# Altium PCB Digitalizador_RPi.PcbDoc (part 2 of 3) (continued)
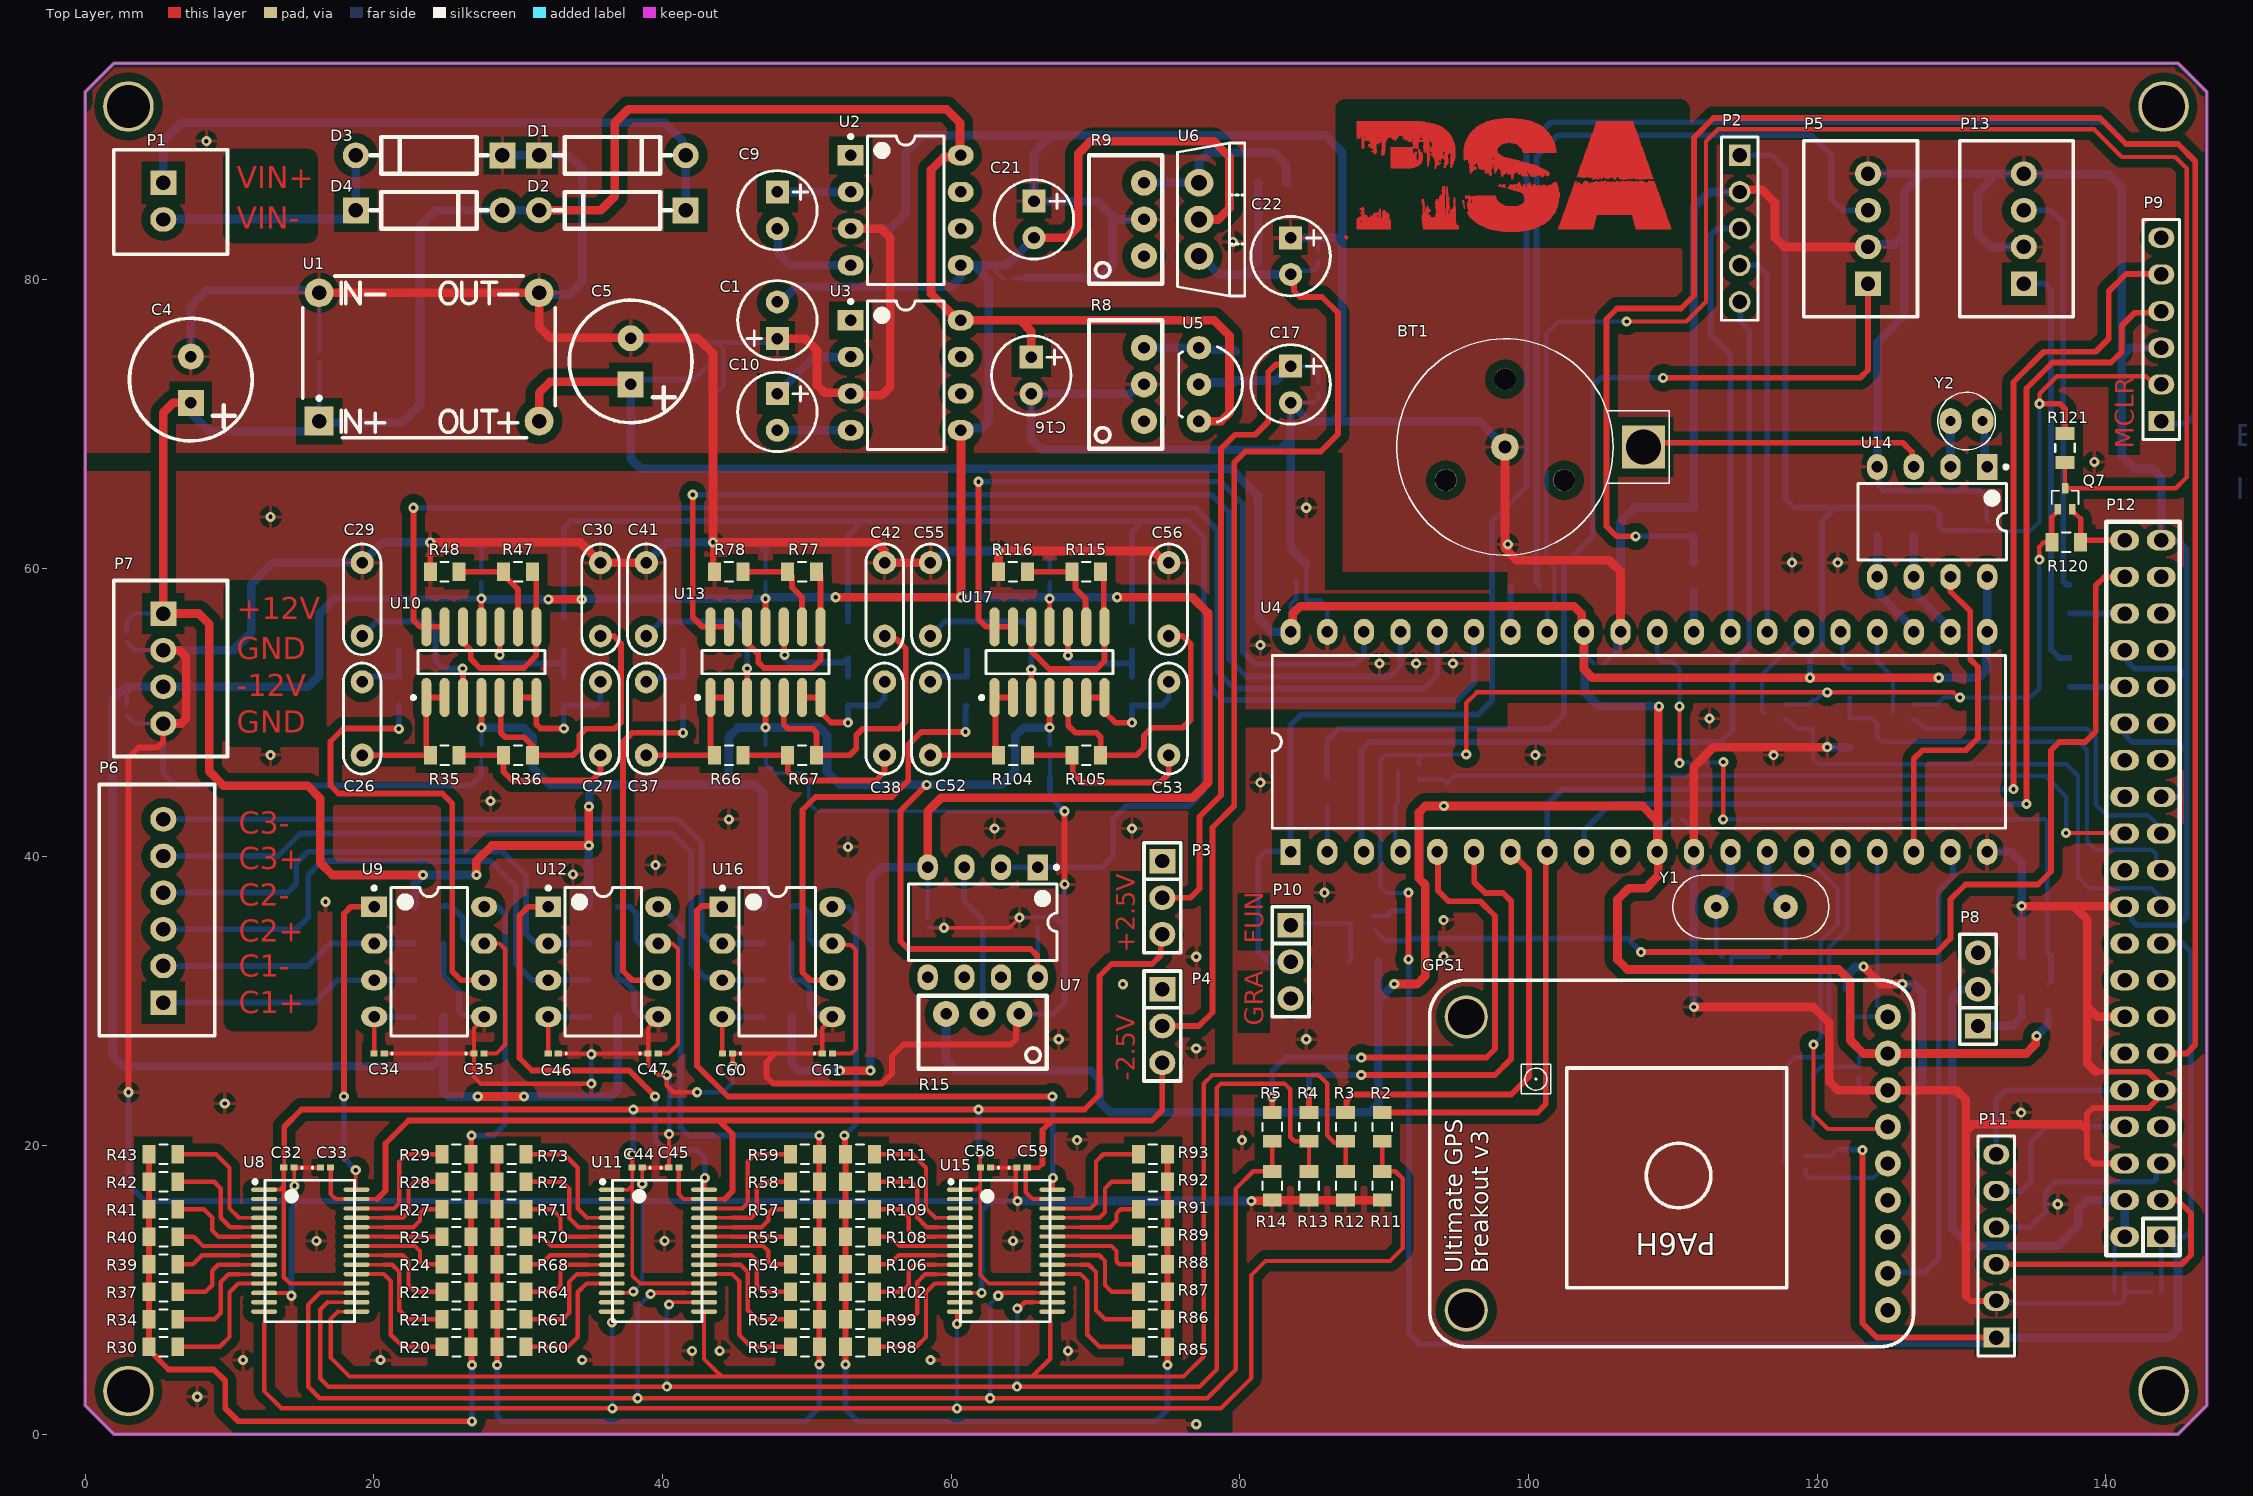
[diagram p0: Top Layer view]
## Nets (pads, with @x,y where several pads share a name; then routed paths per layer and width w, separated by ;. In a path a pad name is that pad's centre, name@x,y a point inside that pad or via, vN(x,y) a via of type N, cw(c..) or ccw(c..) an arc to the next point about the centre after c; other vN are vias at no path point) (continued)
NetC52_1: C52.1 R104.1 U17.1 U17.2 | length 10.1
  Top Layer w0.4: C52.1@58.565,47.055 R104.1@63.28,47.055 63.067,47.268 63.067,50.988 U17.1@63.01,51.045 U17.2@64.28,51.045
NetC52_2: C52.2 R100.2 R101.1 | length 4.5
  Bottom Layer w0.4: C52.2@58.565,52.135 58.795,52.365 59.17,52.365 59.305,52.5 R100.2@61.105,52.5 R101.1@61.105,54.31
NetC53_1: C53.1 R107.1 U17.6 U17.7 | length 9.6
  Top Layer w0.4: U17.6@69.36,51.045 U17.7@70.63,51.045 70.63,50.045 71.38,49.295 72.519,49.295 v1(72.535,49.311)
  Bottom Layer w0.4: v1(72.535,49.311) R107.1@72.535,50.5 74.6,50.5 75.075,50.975 C53.1@75.075,52.135
NetC53_2: C53.2 R104.2 R105.1 | length 12.8
  Top Layer w0.4: R104.2@65.28,47.055 R105.1@68.36,47.055 68.432,46.983 68.432,45.805 69.085,45.152 74.457,45.152 75.075,45.77 C53.2@75.075,47.055
NetC55_1: C55.1 R101.2 U17.3 | length 12.4
  Top Layer w0.4: U17.3@65.55,51.045 v1(65.55,52.995)
  Bottom Layer w0.4: C55.1@58.565,55.31 59.565,56.31 R101.2@61.105,56.31 65.025,56.31 65.55,55.785 v1(65.55,52.995)
NetC56_1: C56.1 R105.2 U17.5 | length 20.5
  Top Layer w0.4: U17.5@68.09,51.045 68.115,51.02 68.115,49.095 68.61,48.6 70.06,48.6 70.36,48.3 R105.2@70.36,47.055 72.835,47.055 73.36,47.58 73.36,48.42 73.9,48.96 76.045,48.96 76.6,49.515 76.6,54.737 76.028,55.31 C56.1@75.075,55.31
NetC60_2: C60.2 R113.2 U16.4 | length 5.4
  Top Layer w0.3: C60.2@44.15,26.385 U16.4@44.15,28.925
  Bottom Layer w0.4: U16.4@44.15,28.925 R113.2@46.96,28.925
NetC61_2: C61.2 R114.2 U16.7 | length 15.4
  Top Layer w0.3: C61.2@51.77,26.385 53.085,26.385 53.4,26.7 53.4,33.54 53.04,33.9 51.875,33.9 U16.7@51.77,34.005
  Bottom Layer w0.4: R114.2@48.96,36.545 49.015,36.6 49.7,36.6 50.2,36.1 50.2,34.31 50.505,34.005 U16.7@51.77,34.005
NetD1_2: D1.2 D2.1 P1.1 | length 44.8
  Bottom Layer w0.6: P1.1@5.415,86.71 5.415,89.6 6.685,90.87 40.15,90.87 41.38,89.64 41.38,88.845 D1.2@41.61,88.615 D2.1@41.61,84.805
NetD3_2: D3.2 D4.1 P1.2 | length 17.4
  Bottom Layer w0.6: P1.2@5.415,84.17 5.45,84.205 18.15,84.205 D4.1@18.75,84.805 D3.2@18.75,88.615
NetP8_1: P8.1 Q1.1 | length 4.7
  Bottom Layer w0.5: 134.165,28.92 Q1.1@134.165,30.255
  Bottom Layer w0.6: P8.1@131.235,28.2 P8.1@131.145,28.29 133.535,28.29 134.165,28.92
NetP12_32: P12.32 R117.2 | length 3.8
  Bottom Layer w0.4: R117.2@137.495,51.785 P12.32@141.305,51.785
NetP12_36: P12.36 R118.2 | length 3.8
  Bottom Layer w0.4: R118.2@137.495,56.865 P12.36@141.305,56.865
NetR1_2: R1.2 U4.2 | length 3.2
  Bottom Layer w0.3: U4.2@86.06,40.355 R1.2@86.06,43.53
NetR3_2: R3.2 U4.7 | length 31.9
  Top Layer w0.4: R3.2@87.33,22.305 R3.2@87.384,22.305 ; U4.7@98.76,40.355 100.035,39.08 100.035,24.78 98.8,23.545 87.812,23.545 87.384,23.117 ; R3.2@87.384,22.305 87.384,23.117 ; R3.2@87.384,22.305 87.384,23.117 ; R3.2@87.384,22.305 87.384,23.117
NetR4_2: R4.2 U4.6 | length 33.1
  Top Layer w0.4: R4.2@84.79,22.305 v1(84.79,23.7) ; v1(88.41,24.9) 97.685,24.9 98.8,26.015 98.8,36.935 98.235,37.5 97,37.5 96.245,38.255 96.245,40.33 U4.6@96.22,40.355
  Bottom Layer w0.4: v1(84.79,23.7) 84.79,24.65 85.04,24.9 v1(88.41,24.9)
NetR5_2: R5.2 U4.5 | length 35.5
  Top Layer w0.4: R5.2@82.25,22.305 v1(82.25,23.375) ; v1(88.41,26.1) 97.085,26.1 97.685,26.7 97.685,35.915 96.665,36.935 94.465,36.935 93.74,37.66 93.74,40.295 U4.5@93.68,40.355
  Bottom Layer w0.4: v1(82.25,23.375) 82.25,25.175 83.175,26.1 v1(88.41,26.1)
NetR6_1: R6.1 R8.1 U5.1 | length 6.5
  Bottom Layer w0.6: R8.1@73.36,75.28 U5.1@77.17,75.28 77.305,75.145 79.575,75.145 R6.1@79.71,75.01
NetR7_1: R7.1 R9.1 U6.1 | length 13.2
  Bottom Layer w0.6: R9.1@73.36,86.71 U6.1@77.17,86.71 77.17,88.17 77.8,88.8 82.38,88.8 83.2,87.98 83.2,86.783 R7.1@83.273,86.71
NetR10_2: R10.2 U4.34 | length 3.2
  Bottom Layer w0.4: U4.34@98.76,55.595 R10.2@98.76,58.77
NetR15_3: R15.3 U7.3 | length 10.7
  Bottom Layer w0.4: U7.3@60.915,39.285 60.915,36.915 62.185,35.645 R15.3@62.185,29.125
NetR16_2: R16.2 U4.29 | length 2.8
  Bottom Layer w0.6: U4.29@111.46,55.595 R16.2@111.46,58.395
NetR17_2: R17.2 U4.25 | length 2.9
  Bottom Layer w0.3: U4.25@121.62,55.595 121.755,55.46 121.755,53.355 122.055,53.055 R17.2@122.255,53.055
NetR20_2: R20.2 U8.19 | length 10.2
  Top Layer w0.254: U8.19@18.8,11.1 18.805,11.105 20.695,11.105
  Top Layer w0.3: 20.695,11.105 21.18,10.62 21.18,6.9 22.015,6.065 R20.2@24.735,6.065
NetR21_2: R21.2 U8.20 | length 9.1
  Top Layer w0.254: U8.20@18.8,11.75 20.695,11.75
  Top Layer w0.3: 20.695,11.75 21.27,11.75 21.773,11.247 21.773,8.595 22.398,7.97 R21.2@24.735,7.97
NetR22_2: R22.2 U8.21 | length 8
  Top Layer w0.254: U8.21@18.8,12.4 18.805,12.405 20.695,12.405
  Top Layer w0.3: 20.695,12.405 22,12.405 22.398,12.007 22.398,10.335 22.858,9.875 R22.2@24.735,9.875
NetR24_2: R24.2 U8.22 | length 6.9
  Top Layer w0.254: U8.22@18.8,13.05 20.655,13.05
  Top Layer w0.3: 20.655,13.05 22.85,13.05 23.2,12.7 23.2,11.96 23.38,11.78 R24.2@24.735,11.78
NetR25_2: R25.2 U8.23 | length 5.9
  Top Layer w0.254: U8.23@18.8,13.7 20.705,13.7 20.72,13.685
  Top Layer w0.3: 20.72,13.685 R25.2@24.735,13.685
NetR27_2: R27.2 U8.24 | length 6.7
  Top Layer w0.254: U8.24@18.8,14.35 20.72,14.35
  Top Layer w0.3: 20.72,14.35 22.74,14.35 23.195,14.805 23.195,15.3 23.485,15.59 R27.2@24.735,15.59
NetR28_2: R28.2 U8.25 | length 7.9
  Top Layer w0.254: U8.25@18.8,15 20.695,15
  Top Layer w0.3: 20.695,15 22.015,15 22.398,15.383 22.398,17.035 22.858,17.495 R28.2@24.735,17.495
NetR29_2: R29.2 U8.26 | length 9.2
  Top Layer w0.254: U8.26@18.8,15.65 20.695,15.65
  Top Layer w0.3: 20.695,15.65 21.4,15.65 21.773,16.023 21.773,18.9 22.273,19.4 R29.2@24.735,19.4
NetR30_2: R30.2 U8.11 | length 9.6
  Top Layer w0.254: 10.6,10.45 U8.11@12.4,10.45
  Top Layer w0.3: R30.2@6.415,6.065 9.325,6.065 10,6.74 10,9.85 10.6,10.45
NetR31_1: R31.1 U9.6 | length 32.8
  Top Layer w0.4: v1(21.735,48.88) 21.715,48.9 17.895,48.9 17.005,48.01 17.005,44.945 17.55,44.4 24.735,44.4 25.435,43.7 25.435,32.075 26.045,31.465 U9.6@27.64,31.465
  Bottom Layer w0.4: v1(21.735,48.88) R31.1@21.735,50.5
NetR34_2: R34.2 U8.10 | length 8.5
  Top Layer w0.254: 10.709,11.1 U8.10@12.4,11.1
  Top Layer w0.3: R34.2@6.415,7.97 8.97,7.97 9.4,8.4 9.4,10.55 9.95,11.1 10.709,11.1
NetR37_2: R37.2 U8.9 | length 7.3
  Top Layer w0.254: 10.709,11.75 U8.9@12.4,11.75
  Top Layer w0.3: R37.2@6.415,9.875 8.34,9.875 8.8,10.335 8.8,11.335 9.215,11.75 10.709,11.75
NetR38_2: R38.2 R44.2 U10.10 | length 8.7
  Top Layer w0.4: v1(28.72,54) U10.10@28.72,55.945
  Bottom Layer w0.4: v1(28.72,54) 28.72,53.7 29.02,53.4 32.085,53.4 32.095,53.41 32.885,53.41 33.165,53.69 ; R38.2@33.165,52.5 33.165,53.69 ; R44.2@33.165,54.31 33.165,53.69
NetR39_2: R39.2 U8.8 | length 6.2
  Top Layer w0.254: 10.669,12.405 12.395,12.405 U8.8@12.4,12.4
  Top Layer w0.3: R39.2@6.415,11.78 7.475,11.78 8.1,12.405 10.669,12.405
NetR40_2: R40.2 U8.7 | length 6.2
  Top Layer w0.254: 10.709,13.05 U8.7@12.4,13.05
  Top Layer w0.3: R40.2@6.415,13.685 7.525,13.685 8.16,13.05 10.709,13.05
NetR41_2: R41.2 U8.6 | length 7.3
  Top Layer w0.254: 10.654,13.685 10.669,13.7 U8.6@12.4,13.7
  Top Layer w0.3: R41.2@6.415,15.59 8.225,15.59 8.8,15.015 8.8,14.13 9.245,13.685 10.654,13.685
NetR42_2: R42.2 U8.5 | length 8.5
  Top Layer w0.254: 10.799,14.35 U8.5@12.4,14.35
  Top Layer w0.3: R42.2@6.415,17.495 8.94,17.495 9.4,17.035 9.4,15 10.05,14.35 10.799,14.35
NetR43_2: R43.2 U8.4 | length 9.5
  Top Layer w0.254: 10.65,15 U8.4@12.4,15
  Top Layer w0.3: R43.2@6.415,19.4 9.065,19.4 10,18.465 10,15.65 10.65,15
NetR47_1: R47.1 R48.1 U10.9 | length 7.3
  Top Layer w0.4: R48.1@25.91,59.755 R47.1@28.99,59.755 28.99,59.555 29.99,58.555 U10.9@29.99,55.945
NetR47_2: R47.2 U10.8 U10.12 | length 13.5
  Top Layer w0.4: U10.12@26.18,55.945 26.18,54.885 26.716,54.349 26.716,53.729 27.345,53.1 30.4,53.1 31.26,53.96 U10.8@31.26,55.945 31.26,59.485 R47.2@30.99,59.755
NetR51_2: R51.2 U11.19 | length 10.2
  Top Layer w0.254: U11.19@42.93,11.1 42.935,11.105 44.825,11.105
  Top Layer w0.3: 44.825,11.105 45.31,10.62 45.31,6.9 46.145,6.065 R51.2@48.865,6.065
NetR52_2: R52.2 U11.20 | length 9.1
  Top Layer w0.254: U11.20@42.93,11.75 44.825,11.75
  Top Layer w0.3: 44.825,11.75 45.4,11.75 45.903,11.247 45.903,8.595 46.528,7.97 R52.2@48.865,7.97
NetR53_2: R53.2 U11.21 | length 8
  Top Layer w0.254: U11.21@42.93,12.4 42.935,12.405 44.825,12.405
  Top Layer w0.3: 44.825,12.405 46.13,12.405 46.528,12.007 46.528,10.335 46.988,9.875 R53.2@48.865,9.875
NetR54_2: R54.2 U11.22 | length 6.9
  Top Layer w0.254: U11.22@42.93,13.05 44.785,13.05
  Top Layer w0.3: 44.785,13.05 46.98,13.05 47.33,12.7 47.33,11.96 47.51,11.78 R54.2@48.865,11.78
NetR55_2: R55.2 U11.23 | length 5.9
  Top Layer w0.254: U11.23@42.93,13.7 44.835,13.7 44.85,13.685
  Top Layer w0.3: 44.85,13.685 R55.2@48.865,13.685
NetR57_2: R57.2 U11.24 | length 6.7
  Top Layer w0.254: U11.24@42.93,14.35 44.85,14.35
  Top Layer w0.3: 44.85,14.35 46.87,14.35 47.325,14.805 47.325,15.3 47.615,15.59 R57.2@48.865,15.59
NetR58_2: R58.2 U11.25 | length 7.9
  Top Layer w0.254: U11.25@42.93,15 44.825,15
  Top Layer w0.3: 44.825,15 46.145,15 46.528,15.383 46.528,17.035 46.988,17.495 R58.2@48.865,17.495
NetR59_2: R59.2 U11.26 | length 9.2
  Top Layer w0.254: U11.26@42.93,15.65 44.825,15.65
  Top Layer w0.3: 44.825,15.65 45.53,15.65 45.903,16.023 45.903,18.9 46.403,19.4 R59.2@48.865,19.4
NetR60_2: R60.2 U11.11 | length 13.2
  Top Layer w0.254: 34.73,10.45 U11.11@36.53,10.45 ; 34.73,10.45 U11.11@36.53,10.45 ; 34.73,10.45 U11.11@36.53,10.45
  Top Layer w0.3: R60.2@30.545,6.065 33.455,6.065 34.13,6.74 34.13,9.85 34.73,10.45
NetR61_2: R61.2 U11.10 | length 11.9
  Top Layer w0.254: 34.839,11.1 U11.10@36.53,11.1 ; 34.839,11.1 U11.10@36.53,11.1 ; 34.839,11.1 U11.10@36.53,11.1
  Top Layer w0.3: R61.2@30.545,7.97 33.1,7.97 33.53,8.4 33.53,10.55 34.08,11.1 34.839,11.1
NetR62_1: R62.1 U12.6 | length 24.9
  Top Layer w0.4: U12.6@39.705,31.465 37.91,31.465 37.27,32.105 37.27,47.978 37.9,48.608 41.412,48.608 v1(41.42,48.6)
  Bottom Layer w0.4: v1(41.42,48.6) R62.1@41.42,50.5
NetR64_2: R64.2 U11.9 | length 10.7
  Top Layer w0.254: 34.839,11.75 U11.9@36.53,11.75 ; 34.839,11.75 U11.9@36.53,11.75 ; 34.839,11.75 U11.9@36.53,11.75
  Top Layer w0.3: R64.2@30.545,9.875 32.47,9.875 32.93,10.335 32.93,11.335 33.345,11.75 34.839,11.75
NetR68_2: R68.2 U11.8 | length 9.7
  Top Layer w0.254: U11.8@36.53,12.4 U11.8@36.525,12.405 ; 34.799,12.405 U11.8@36.525,12.405 ; 34.799,12.405 U11.8@36.525,12.405 ; 34.799,12.405 U11.8@36.525,12.405
  Top Layer w0.3: R68.2@30.545,11.78 31.605,11.78 32.23,12.405 34.799,12.405
NetR69_2: R69.2 R74.2 U13.10 | length 8.1
  Top Layer w0.4: U13.10@48.405,55.945 48.433,55.918 48.433,54.023 v1(48.46,53.995)
  Bottom Layer w0.4: v1(48.46,53.995) 48.46,53.755 48.733,53.482 52.547,53.482 52.85,53.785 R69.2@52.85,52.5
NetR70_2: R70.2 U11.7 | length 9.6
  Top Layer w0.254: 34.839,13.05 U11.7@36.53,13.05 ; 34.839,13.05 U11.7@36.53,13.05 ; 34.839,13.05 U11.7@36.53,13.05
  Top Layer w0.3: R70.2@30.545,13.685 31.655,13.685 32.29,13.05 34.839,13.05
NetR71_2: R71.2 U11.6 | length 10.8
  Top Layer w0.254: 34.784,13.685 34.799,13.7 ; 34.799,13.7 U11.6@36.53,13.7 ; 34.799,13.7 U11.6@36.53,13.7 ; 34.799,13.7 U11.6@36.53,13.7
  Top Layer w0.3: R71.2@30.545,15.59 32.355,15.59 32.93,15.015 32.93,14.13 33.375,13.685 34.784,13.685
NetR72_2: R72.2 U11.5 | length 11.7
  Top Layer w0.254: 34.929,14.35 U11.5@36.53,14.35 ; 34.929,14.35 U11.5@36.53,14.35 ; 34.929,14.35 U11.5@36.53,14.35
  Top Layer w0.3: R72.2@30.545,17.495 33.07,17.495 33.53,17.035 33.53,15 34.18,14.35 34.929,14.35
NetR73_2: R73.2 U11.4 | length 13
  Top Layer w0.254: 34.78,15 U11.4@36.53,15 ; 34.78,15 U11.4@36.53,15 ; 34.78,15 U11.4@36.53,15
  Top Layer w0.3: R73.2@30.545,19.4 33.195,19.4 34.13,18.465 34.13,15.65 34.78,15
NetR77_1: R77.1 R78.1 U13.9 | length 7.3
  Top Layer w0.4: R78.1@45.595,59.755 R77.1@48.675,59.755 48.975,59.455 48.975,58.696 49.675,57.996 U13.9@49.675,55.945
NetR77_2: R77.2 U13.8 U13.12 | length 13.7
  Top Layer w0.4: U13.12@45.865,55.945 45.865,54.83 46.635,54.06 46.635,53.495 47.03,53.1 50.395,53.1 50.945,53.65 U13.8@50.945,55.945 50.945,59.485 R77.2@50.675,59.755
NetR85_2: R85.2 U15.19 | length 10.2
  Top Layer w0.254: U15.19@67.06,11.1 67.065,11.105 68.955,11.105
  Top Layer w0.3: 68.955,11.105 69.44,10.62 69.44,6.9 70.275,6.065 R85.2@72.995,6.065
NetR86_2: R86.2 U15.20 | length 9.1
  Top Layer w0.254: U15.20@67.06,11.75 68.955,11.75
  Top Layer w0.3: 68.955,11.75 69.53,11.75 70.033,11.247 70.033,8.595 70.658,7.97 R86.2@72.995,7.97
NetR87_2: R87.2 U15.21 | length 8
  Top Layer w0.254: U15.21@67.06,12.4 67.065,12.405 68.955,12.405
  Top Layer w0.3: 68.955,12.405 70.26,12.405 70.658,12.007 70.658,10.335 71.118,9.875 R87.2@72.995,9.875
NetR88_2: R88.2 U15.22 | length 6.9
  Top Layer w0.254: U15.22@67.06,13.05 68.915,13.05
  Top Layer w0.3: 68.915,13.05 71.11,13.05 71.46,12.7 71.46,11.96 71.64,11.78 R88.2@72.995,11.78
NetR89_2: R89.2 U15.23 | length 5.9
  Top Layer w0.254: U15.23@67.06,13.7 68.965,13.7 68.98,13.685
  Top Layer w0.3: 68.98,13.685 R89.2@72.995,13.685
NetR91_2: R91.2 U15.24 | length 6.7
  Top Layer w0.254: U15.24@67.06,14.35 68.98,14.35
  Top Layer w0.3: 68.98,14.35 71,14.35 71.455,14.805 71.455,15.3 71.745,15.59 R91.2@72.995,15.59
NetR92_2: R92.2 U15.25 | length 7.9
  Top Layer w0.254: U15.25@67.06,15 68.955,15
  Top Layer w0.3: 68.955,15 70.275,15 70.658,15.383 70.658,17.035 71.118,17.495 R92.2@72.995,17.495
NetR93_2: R93.2 U15.26 | length 9.2
  Top Layer w0.254: U15.26@67.06,15.65 68.955,15.65
  Top Layer w0.3: 68.955,15.65 69.66,15.65 70.033,16.023 70.033,18.9 70.533,19.4 R93.2@72.995,19.4
NetR98_2: R98.2 U15.11 | length 13.2
  Top Layer w0.254: 58.86,10.45 U15.11@60.66,10.45 ; 58.86,10.45 U15.11@60.66,10.45 ; 58.86,10.45 U15.11@60.66,10.45
  Top Layer w0.3: R98.2@54.675,6.065 57.585,6.065 58.26,6.74 58.26,9.85 58.86,10.45
NetR99_2: R99.2 U15.10 | length 11.9
  Top Layer w0.254: 58.969,11.1 U15.10@60.66,11.1 ; 58.969,11.1 U15.10@60.66,11.1 ; 58.969,11.1 U15.10@60.66,11.1
  Top Layer w0.3: R99.2@54.675,7.97 57.23,7.97 57.66,8.4 57.66,10.55 58.21,11.1 58.969,11.1
NetR100_1: R100.1 U16.6 | length 30.4
  Top Layer w0.4: U16.6@51.77,31.465 50.235,31.465 49.7,32 49.7,43.255 50.61,44.165 55.9,44.165 57.035,45.3 57.035,47.775 57.927,48.667 v1(61,48.667)
  Bottom Layer w0.4: v1(61,48.667) 61,50.395 R100.1@61.105,50.5
NetR102_2: R102.2 U15.9 | length 10.7
  Top Layer w0.254: 58.969,11.75 U15.9@60.66,11.75 ; 58.969,11.75 U15.9@60.66,11.75 ; 58.969,11.75 U15.9@60.66,11.75
  Top Layer w0.3: R102.2@54.675,9.875 56.6,9.875 57.06,10.335 57.06,11.335 57.475,11.75 58.969,11.75
NetR106_2: R106.2 U15.8 | length 9.7
  Top Layer w0.254: U15.8@60.66,12.4 U15.8@60.655,12.405 ; 58.929,12.405 U15.8@60.655,12.405 ; 58.929,12.405 U15.8@60.655,12.405 ; 58.929,12.405 U15.8@60.655,12.405
  Top Layer w0.3: R106.2@54.675,11.78 55.735,11.78 56.36,12.405 58.929,12.405
NetR107_2: R107.2 R112.2 U17.10 | length 8.6
  Top Layer w0.4: v1(68.09,53.955) U17.10@68.09,55.945
  Bottom Layer w0.4: v1(68.09,53.955) 68.09,53.755 68.44,53.405 72.535,53.405 ; R107.2@72.535,52.5 72.535,53.405 ; R112.2@72.535,54.31 72.535,53.405
NetR108_2: R108.2 U15.7 | length 9.6
  Top Layer w0.254: 58.969,13.05 U15.7@60.66,13.05 ; 58.969,13.05 U15.7@60.66,13.05 ; 58.969,13.05 U15.7@60.66,13.05
  Top Layer w0.3: R108.2@54.675,13.685 55.785,13.685 56.42,13.05 58.969,13.05
NetR109_2: R109.2 U15.6 | length 10.8
  Top Layer w0.254: 58.914,13.685 58.929,13.7 ; 58.929,13.7 U15.6@60.66,13.7 ; 58.929,13.7 U15.6@60.66,13.7 ; 58.929,13.7 U15.6@60.66,13.7
  Top Layer w0.3: R109.2@54.675,15.59 56.485,15.59 57.06,15.015 57.06,14.13 57.505,13.685 58.914,13.685
NetR110_2: R110.2 U15.5 | length 11.7
  Top Layer w0.254: 59.059,14.35 U15.5@60.66,14.35 ; 59.059,14.35 U15.5@60.66,14.35 ; 59.059,14.35 U15.5@60.66,14.35
  Top Layer w0.3: R110.2@54.675,17.495 57.2,17.495 57.66,17.035 57.66,15 58.31,14.35 59.059,14.35
NetR111_2: R111.2 U15.4 | length 13
  Top Layer w0.254: 58.91,15 U15.4@60.66,15 ; 58.91,15 U15.4@60.66,15 ; 58.91,15 U15.4@60.66,15
  Top Layer w0.3: R111.2@54.675,19.4 57.325,19.4 58.26,18.465 58.26,15.65 58.91,15
NetR115_1: R115.1 R116.1 U17.9 | length 7.3
  Top Layer w0.4: R116.1@65.28,59.755 R115.1@68.36,59.755 68.61,59.505 68.61,58.59 69.305,57.895 69.305,56 U17.9@69.36,55.945
NetR115_2: R115.2 U17.8 U17.12 | length 13.8
  Top Layer w0.4: U17.12@65.55,55.945 65.55,54.265 66.79,53.025 70.085,53.025 70.63,53.57 U17.8@70.63,55.945 70.573,56.002 70.573,59.542 R115.2@70.36,59.755
NetU14_1: U14.1 Y2.2 | length 3.3
  Bottom Layer w0.6: Y2.2@131.462,70.2 131.621,70.041 131.621,67.184 U14.1@131.78,67.025
NetU14_2: U14.2 Y2.1 | length 3.2
  Bottom Layer w0.6: U14.2@129.24,67.025 Y2.1@129.24,70.2
PGC: P9.5 R2.2 U4.8 | length 108.6
  Top Layer w0.4: R2.2@89.87,22.305 100.625,22.305 101.2,22.88 101.2,40.255 U4.8@101.3,40.355 ; v1(133.6,44.7) 133.6,72.9 135.7,75 139.3,75 140.2,75.9 140.2,79.2 141.4,80.4 143.805,80.4 P9.5@143.845,80.36
  Bottom Layer w0.4: U4.8@101.3,40.355 101.3,43.655 102.345,44.7 v1(133.6,44.7)
PGD: P9.4 U4.9 | length 74.3
  Top Layer w0.4: v1(134.5,43.666) 134.5,72.455 136.3,74.255 140.36,74.255 141.1,74.995 141.1,76.8 142,77.7 143.725,77.7 P9.4@143.845,77.82
  Bottom Layer w0.4: U4.9@103.84,40.355 103.867,40.382 103.867,41.855 105.678,43.666 v1(134.5,43.666)
PIN_EXTRA_3.3V: P12.40 Q7.2 R120.1 | length 5.5
  Top Layer w0.3: Q7.2@137.675,63.995 138.26,63.41
  Top Layer w0.4: 138.26,63.41 R120.1@138.26,61.8 138.405,61.945 P12.40@141.305,61.945
PIN_EXTRA_5V: Q7.3 R121.1 U4.33 | length 110.9
  Top Layer w0.3: v1(106.8,77.1) 110.924,77.1 112.3,78.476 112.3,89.593 113.126,90.418 139.182,90.418 141.1,88.5 144.815,88.5 145.6,87.715 145.6,66.3 144.845,65.545 Q7.3@137.175,65.545 R121.1@137.175,67.328
  Bottom Layer w0.3: U4.33@101.3,55.595 101.3,57.168 101.8,57.668 101.8,60.014 101.237,60.577 101.237,76.237 102.1,77.1 v1(106.8,77.1)
PIN_PIC_LIBRE: P2.5 U4.3 | length 63.8
  Bottom Layer w0.4: U4.3@88.6,40.355 88.435,40.52 88.435,47.43 88.98,47.975 113.31,47.975 114.135,48.8 114.135,53.405 115.3,54.57 115.3,76.5 114.695,77.105 114.695,78.395 P2.5@114.635,78.455
PIN_RPi_LIBRE_1: P11.3 P12.3 | length 19.1
  Top Layer w0.4: P11.3@132.415,11.78 145.265,11.78 145.9,12.415 145.9,15.3 144.975,16.225 P12.3@143.845,16.225
PIN_RPi_LIBRE_2: P11.4 P12.5 | length 14.5
  Bottom Layer w0.4: P11.4@132.415,14.32 134.72,14.32 135.86,15.46 135.86,16.8 136.555,17.495 143.295,17.495 143.5,17.7 143.5,18.42 P12.5@143.845,18.765
PIN_RPi_LIBRE_3: P11.5 P12.8 | length 12.3
  Bottom Layer w0.4: P11.5@132.415,16.86 134.165,16.86 134.8,17.495 134.8,20.245 135.86,21.305 P12.8@141.305,21.305
PIN_RPi_LIBRE_4: P11.6 P12.10 | length 13
  Bottom Layer w0.4: P11.6@132.415,19.4 132.415,23.21 133.05,23.845 P12.10@141.305,23.845
PPS_GPS: GPS1.0 R119.2 U4.17 | length 14.6
  Bottom Layer w0.3: R119.2@122.065,28.91 122.08,28.925 GPS1.0@124.9,28.925 124.16,29.665 U4.17@124.16,40.355
Referencia: R44.1 R74.1 R112.1 U4.35 U7.1 U7.2 | length 124.5
  Bottom Layer w0.4: R44.1@33.165,56.58 33.165,62.745 33.7,63.28 44.055,63.28 53.866,63.28 ; R74.1@52.85,56.31 52.85,62.264 53.866,63.28 ; U7.2@63.455,39.285 U7.1@65.995,39.285 70.47,39.285 71.219,40.034 71.219,40.366 71.2,40.385 71.2,42.6 72.13,43.53 76.455,43.53 77.495,44.57 77.495,52.205 ; R112.1@72.535,56.31 72.535,62.515 73.3,63.28 ; U4.35@96.22,55.595 96.22,52.035 95.065,50.88 78.82,50.88 77.495,52.205 ; 53.866,63.28 63.678,63.28 73.3,63.28 ; 73.3,63.28 76.381,63.28 77.495,62.166 77.495,52.205
RES1: U8.28 U9.1 | length 21.8
  Top Layer w0.254: v1(18.75,18.3) 18.75,16.971 18.771,16.95 U8.28@18.8,16.95
  Top Layer w0.4: v1(17.925,23.4) 17.925,36.07 18.4,36.545 U9.1@20.02,36.545
  Bottom Layer w0.4: v1(17.925,23.4) 17.925,19.125 v1(18.75,18.3)
RES1B: R20.1 R21.1 R22.1 R24.1 R25.1 R27.1 R28.1 R29.1 R30.1 R34.1 R37.1 R39.1 R40.1 R41.1 R42.1 R43.1 U9.8 | length 77.8
  Top Layer w0.4: R43.1@4.415,19.4 R42.1@4.415,17.495 R41.1@4.415,15.59 R40.1@4.415,13.685 R39.1@4.415,11.78 R37.1@4.415,9.875 R34.1@4.415,7.97 R30.1@4.415,6.065 4.415,5.865 5.78,4.5 8.915,4.5 9.7,3.715 9.7,1.8 10.6,0.9 v1(26.8,0.9) ; v1(26.768,20.7) 26.751,20.684 26.751,19.416 R29.1@26.735,19.4 R28.1@26.735,17.495 R27.1@26.735,15.59 R25.1@26.735,13.685 R24.1@26.735,11.78 R22.1@26.735,9.875 R21.1@26.735,7.97 R20.1@26.735,6.065 26.768,6.032 26.768,4.833 v1(26.8,4.8)
  Bottom Layer w0.4: v1(26.768,20.7) 28.3,20.7 29.105,21.505 29.105,35.985 28.545,36.545 U9.8@27.64,36.545 ; v1(26.8,0.9) v1(26.8,4.8)
RES2: U11.28 U12.1 | length 31.9
  Top Layer w0.254: U11.28@42.88,16.95 42.914,16.95 42.935,16.971 v1(42.935,17.765)
  Top Layer w0.4: U12.1@32.085,36.545 30.7,36.545 30.1,35.945 30.1,26.065 30.965,25.2 37.695,25.2 v1(39.495,23.4)
  Bottom Layer w0.4: v1(39.495,23.4) 39.495,20.305 40.094,19.706 42.4,19.706 42.935,19.171 v1(42.935,17.765)
RES2B: R51.1 R52.1 R53.1 R54.1 R55.1 R57.1 R58.1 R59.1 R60.1 R61.1 R64.1 R68.1 R70.1 R71.1 R72.1 R73.1 U12.8 | length 85.7
  Top Layer w0.4: v1(28.545,4.8) R60.1@28.545,6.065 R61.1@28.545,7.97 R64.1@28.545,9.875 R68.1@28.545,11.78 R70.1@28.545,13.685 R71.1@28.545,15.59 R72.1@28.545,17.495 R73.1@28.545,19.4 ; v1(50.865,4.833) R51.1@50.865,6.065 R52.1@50.865,7.97 R53.1@50.865,9.875 R54.1@50.865,11.78 R55.1@50.865,13.685 R57.1@50.865,15.59 R58.1@50.865,17.495 R59.1@50.865,19.4 v1(50.865,20.7)
  Bottom Layer w0.4: v1(28.545,4.8) 28.545,1.255 28.9,0.9 49.9,0.9 50.865,1.865 v1(50.865,4.833) ; U12.8@39.705,36.545 39.905,36.545 41.24,35.21 41.24,21.26 41.8,20.7 v1(50.865,20.7)
RES3: U15.28 U16.1 | length 44.7
  Top Layer w0.254: U15.28@67.01,16.95 67.039,16.95 67.06,16.971 v1(67.06,17.765)
  Top Layer w0.4: U16.1@44.15,36.545 44.095,36.6 42.7,36.6 42.4,36.3 42.4,25.543 44.543,23.4 v1(67.01,23.4)
  Bottom Layer w0.4: v1(67.01,23.4) 67.035,23.375 67.035,17.79 v1(67.06,17.765)
RES3B: R85.1 R86.1 R87.1 R88.1 R89.1 R91.1 R92.1 R93.1 R98.1 R99.1 R102.1 R106.1 R108.1 R109.1 R110.1 R111.1 U16.8 | length 77.2
  Top Layer w0.4: v1(52.6,20.7) 52.638,20.663 52.638,19.437 R111.1@52.675,19.4 R110.1@52.675,17.495 R109.1@52.675,15.59 R108.1@52.675,13.685 R106.1@52.675,11.78 R102.1@52.675,9.875 R99.1@52.675,7.97 R98.1@52.675,6.065 v1(52.675,4.833) ; v1(74.995,4.8) R85.1@74.995,6.065 R86.1@74.995,7.97 R87.1@74.995,9.875 R88.1@74.995,11.78 R89.1@74.995,13.685 R91.1@74.995,15.59 R92.1@74.995,17.495 R93.1@74.995,19.4
  Bottom Layer w0.4: U16.8@51.77,36.545 52.85,36.545 53.4,35.995 53.4,21.5 v1(52.6,20.7) ; v1(52.675,4.833) 52.675,1.735 53.51,0.9 74.2,0.9 74.995,1.695 v1(74.995,4.8)
RESET_dsPIC_3.3V: P12.38 Q6.2 R96.1 | length 75.9
  Top Layer w0.4: v1(107.8,33.41) 128.295,33.41 129.23,34.345 129.23,37.05 130.28,38.1 135.31,38.1 136.21,39 136.21,47.395 136.79,47.975 138.575,47.975 139.3,48.7 139.3,58.805 139.9,59.405 P12.38@141.305,59.405
  Bottom Layer w0.3: Q6.2@89.385,34.91 90.095,34.2
  Bottom Layer w0.4: 90.095,34.2 91.7,34.2 R96.1@91.775,34.275 91.845,34.345 106.865,34.345 v1(107.8,33.41)
RESET_dsPIC_5V: P10.1 Q6.3 R97.1 | length 6.9
  Bottom Layer w0.3: P10.1@83.655,35.41 Q6.3@87.717,35.41 ; R97.1@87.693,32.828 Q6.3@87.693,35.385
  Bottom Layer w0.4: P10.1@83.52,35.275 P10.1@83.655,35.41 ; R97.1@87.6,32.735 R97.1@87.693,32.828
RESET_RPi: Q1.2 R26.2 U4.30 | length 51.3
  Top Layer w0.3: v1(110.46,46.5) v1(110.46,50.44) ; v1(113.485,42.61) 113.493,42.618 113.493,46.577 v1(113.5,46.585)
  Bottom Layer w0.3: U4.30@108.92,55.595 108.92,53.905 109.3,53.525 109.99,53.525 110.46,53.055 v1(110.46,50.44) ; v1(110.46,46.5) 110.503,46.542 113.457,46.542 v1(113.5,46.585) ; v1(113.485,42.61) 135.762,42.61 135.937,42.434 135.937,33.438 R26.2@136.21,33.165 R26.2@136.16,33.115 ; Q1.2@135.965,31.205 136.01,31.205 Q1.2@136.21,31.405
  Bottom Layer w0.4: Q1.2@136.21,31.405 R26.2@136.21,33.165
RX_GPS: GPS1.3 U4.15 | length 25.5
  Top Layer w0.3: v1(119.745,27) 119.745,22.14 120.73,21.155 124.75,21.155 GPS1.3@124.9,21.305
  Bottom Layer w0.3: U4.15@119.08,40.355 119.08,40.155 121.42,37.815 121.42,35.315 120.24,34.135 120.24,27.495 v1(119.745,27)
SCK_3.3V: P12.23 Q5.2 R94.1 | length 23.3
  Bottom Layer w0.3: Q5.2@126.7,49.515 126.85,49.515 127.485,48.88 R94.1@128.605,48.88 138.72,48.88 139.3,48.3 139.3,43.635 140.035,42.9 142.91,42.9 143.676,42.134 143.676,41.794 P12.23@143.845,41.625
SCK_5V: Q5.3 R95.1 U4.24 | length 6
  Bottom Layer w0.3: U4.24@124.16,55.595 124.16,53.525 125.065,52.62 R95.1@125.065,52.42 125.25,52.235 Q5.3@125.25,50.015
SCL_DS1307: R79.2 U4.22 U14.6 | length 7.7
  Bottom Layer w0.6: R79.2@126.7,62.215 U14.6@126.7,59.405 126.853,59.252 126.853,58.182 129.24,55.795 U4.22@129.24,55.595
SDA_DS1307: R80.2 U4.23 U14.5 | length 7.7
  Bottom Layer w0.6: R80.2@124.16,62.215 U14.5@124.16,59.405 124.313,59.252 124.313,58.182 126.7,55.795 U4.23@126.7,55.595
Señal1: U4.36 U10.13 U10.14 | length 95.4
  Top Layer w0.4: v1(22.74,64.2) 22.74,56.405 23.2,55.945 U10.14@23.64,55.945 U10.13@24.91,55.945
  Bottom Layer w0.4: v1(22.74,64.2) 76.895,64.2 78.436,62.659 78.436,52.849 79.615,51.67 92.8,51.67 93.68,52.55 U4.36@93.68,55.595
Señal2: U4.37 U13.13 U13.14 | length 74.2
  Top Layer w0.4: v1(42.1,65.1) 42.1,56.605 42.76,55.945 U13.14@43.325,55.945 U13.13@44.595,55.945
  Bottom Layer w0.4: v1(42.1,65.1) 78.06,65.1 79.26,63.9 79.26,53.705 80.465,52.5 90.4,52.5 91.14,53.24 U4.37@91.14,55.595
Señal3: U4.38 U17.13 U17.14 | length 52
  Top Layer w0.4: v1(61.9,66) 61.9,56.465 62.42,55.945 U17.14@63.01,55.945 U17.13@64.28,55.945
  Bottom Layer w0.4: v1(61.9,66) 78.66,66 80.2,64.46 80.2,54.22 81.065,53.355 88,53.355 88.6,53.955 U4.38@88.6,55.595
TX_GPS_3.3V: GPS1.4 Q2.2 R49.1 | length 6.5
  Bottom Layer w0.3: Q2.2@119.17,18.265 119.2,18.235 119.2,18 119.435,17.765 R49.1@121.62,17.765 123.9,17.765 GPS1.4@124.9,18.765
TX_GPS_5V: Q2.3 R50.1 U4.16 | length 24.7
  Bottom Layer w0.3: Q2.3@117.72,18.765 117.72,21.3 R50.1@117.715,21.305 117.715,25.355 118.492,26.133 120.343,26.133 120.85,26.64 120.85,33.75 122.08,34.98 122.08,39.895 U4.16@121.62,40.355
U2RX: P2.3 U4.28 | length 30.3
  Bottom Layer w0.4: U4.28@114,55.595 114,74.803 112.602,76.2 112.602,83.077 113.06,83.535 P2.3@114.635,83.535
U2TX: P2.4 U4.27 | length 26.9
  Bottom Layer w0.4: P2.4@114.635,80.995 115.839,80.995 116.54,80.294 U4.27@116.54,55.595